# Altium PCB GL3520 4 Ports(final).PcbDoc (part 1 of 2)
Units mil, origin at the board's own origin, x right, y up, seen from the top; angles counter-clockwise.
Board outline 2362.2 x 2362.2 mil, 2 copper layers (Top Layer, Bottom Layer), stack 61.756 mil thick; 95 components, 85 nets, 418 pads, 538 vias.
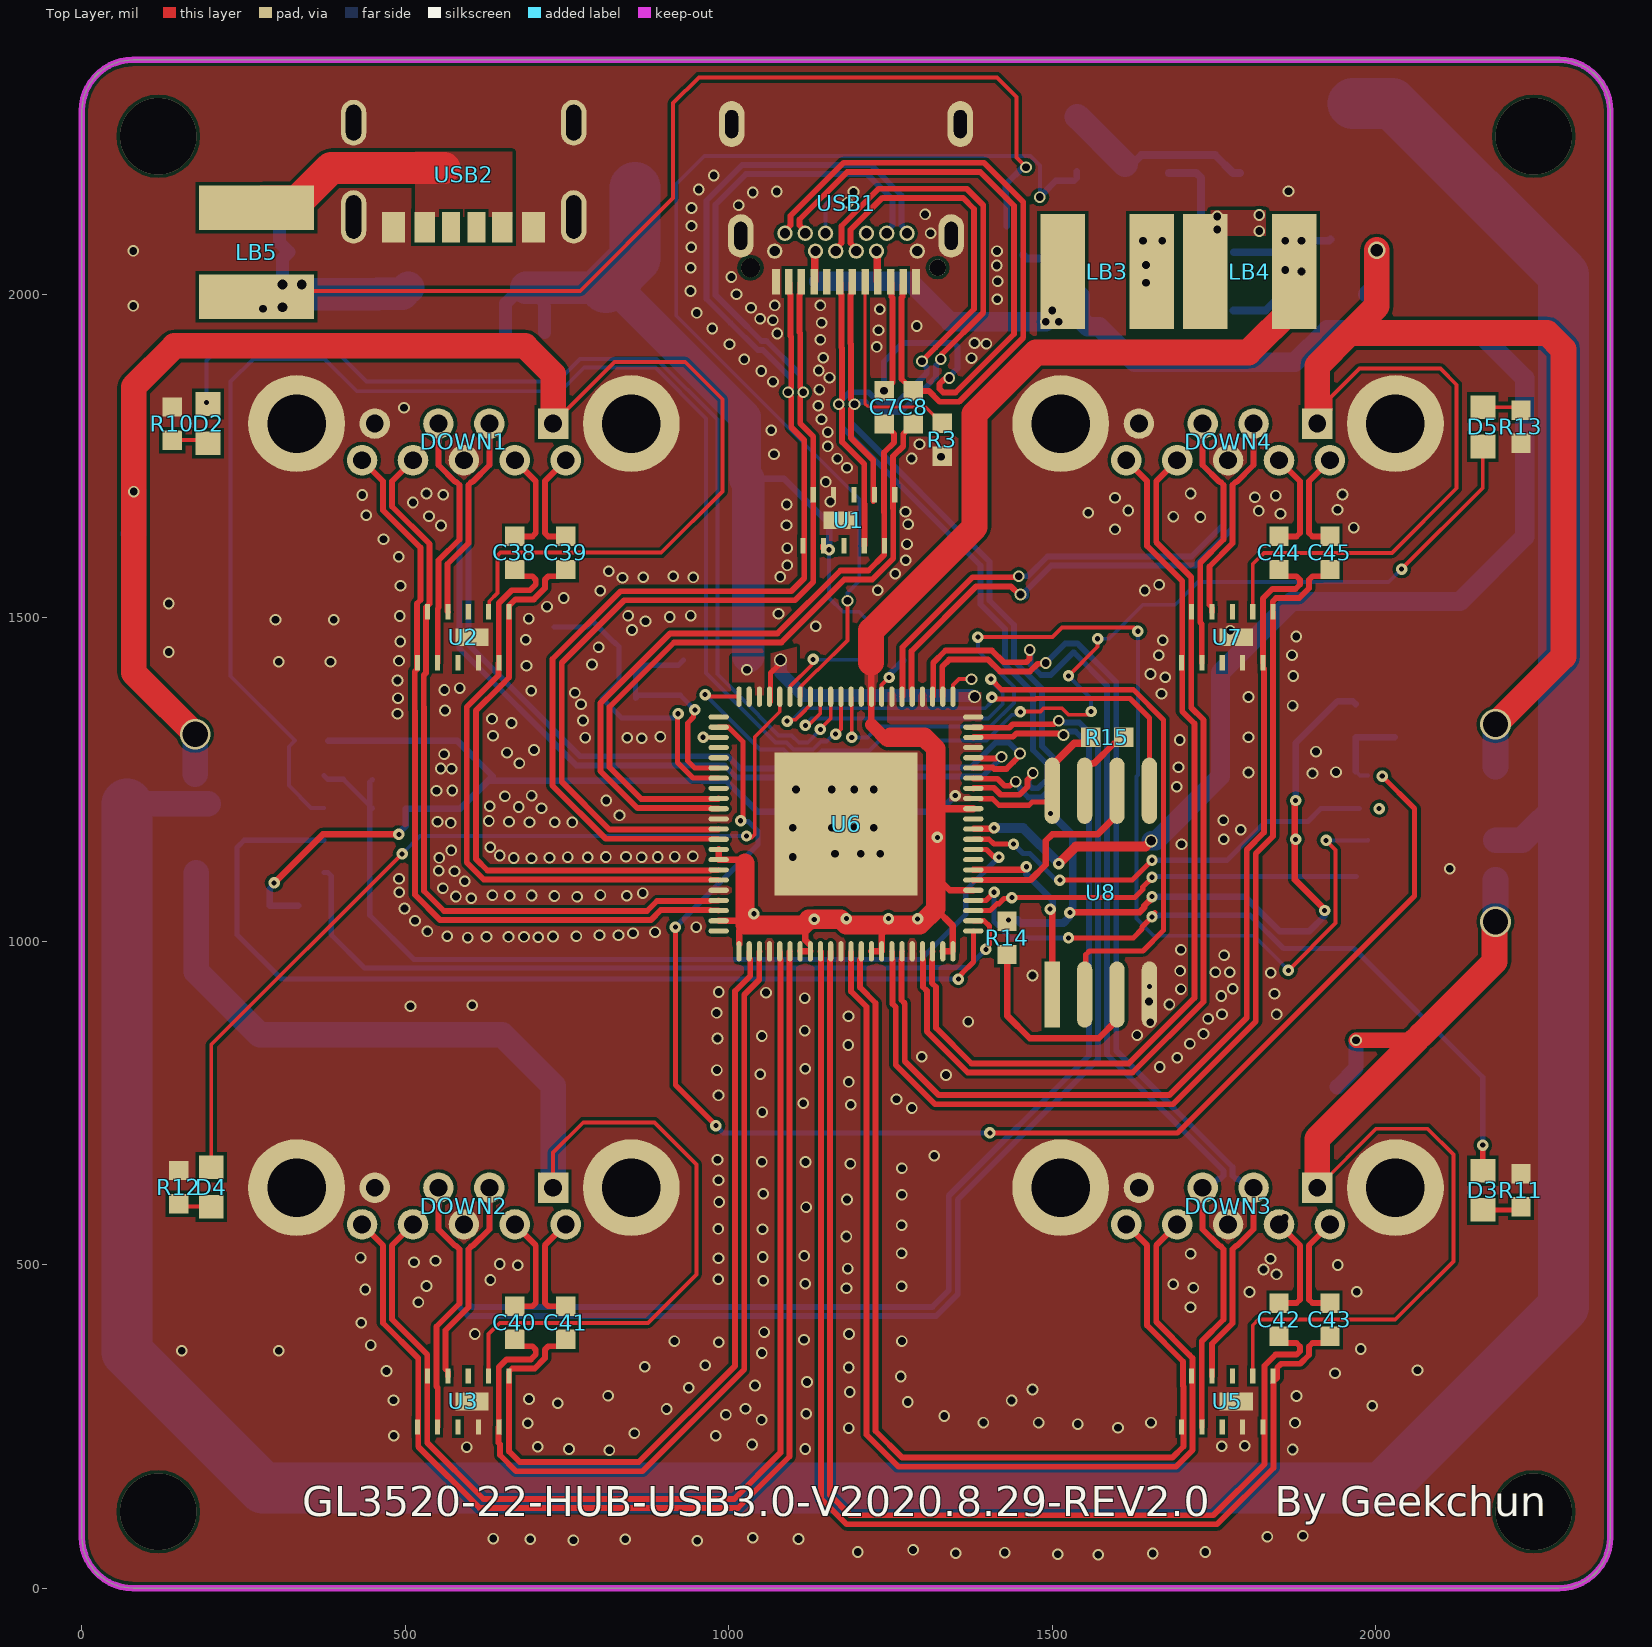
[diagram p0: Top Layer view]
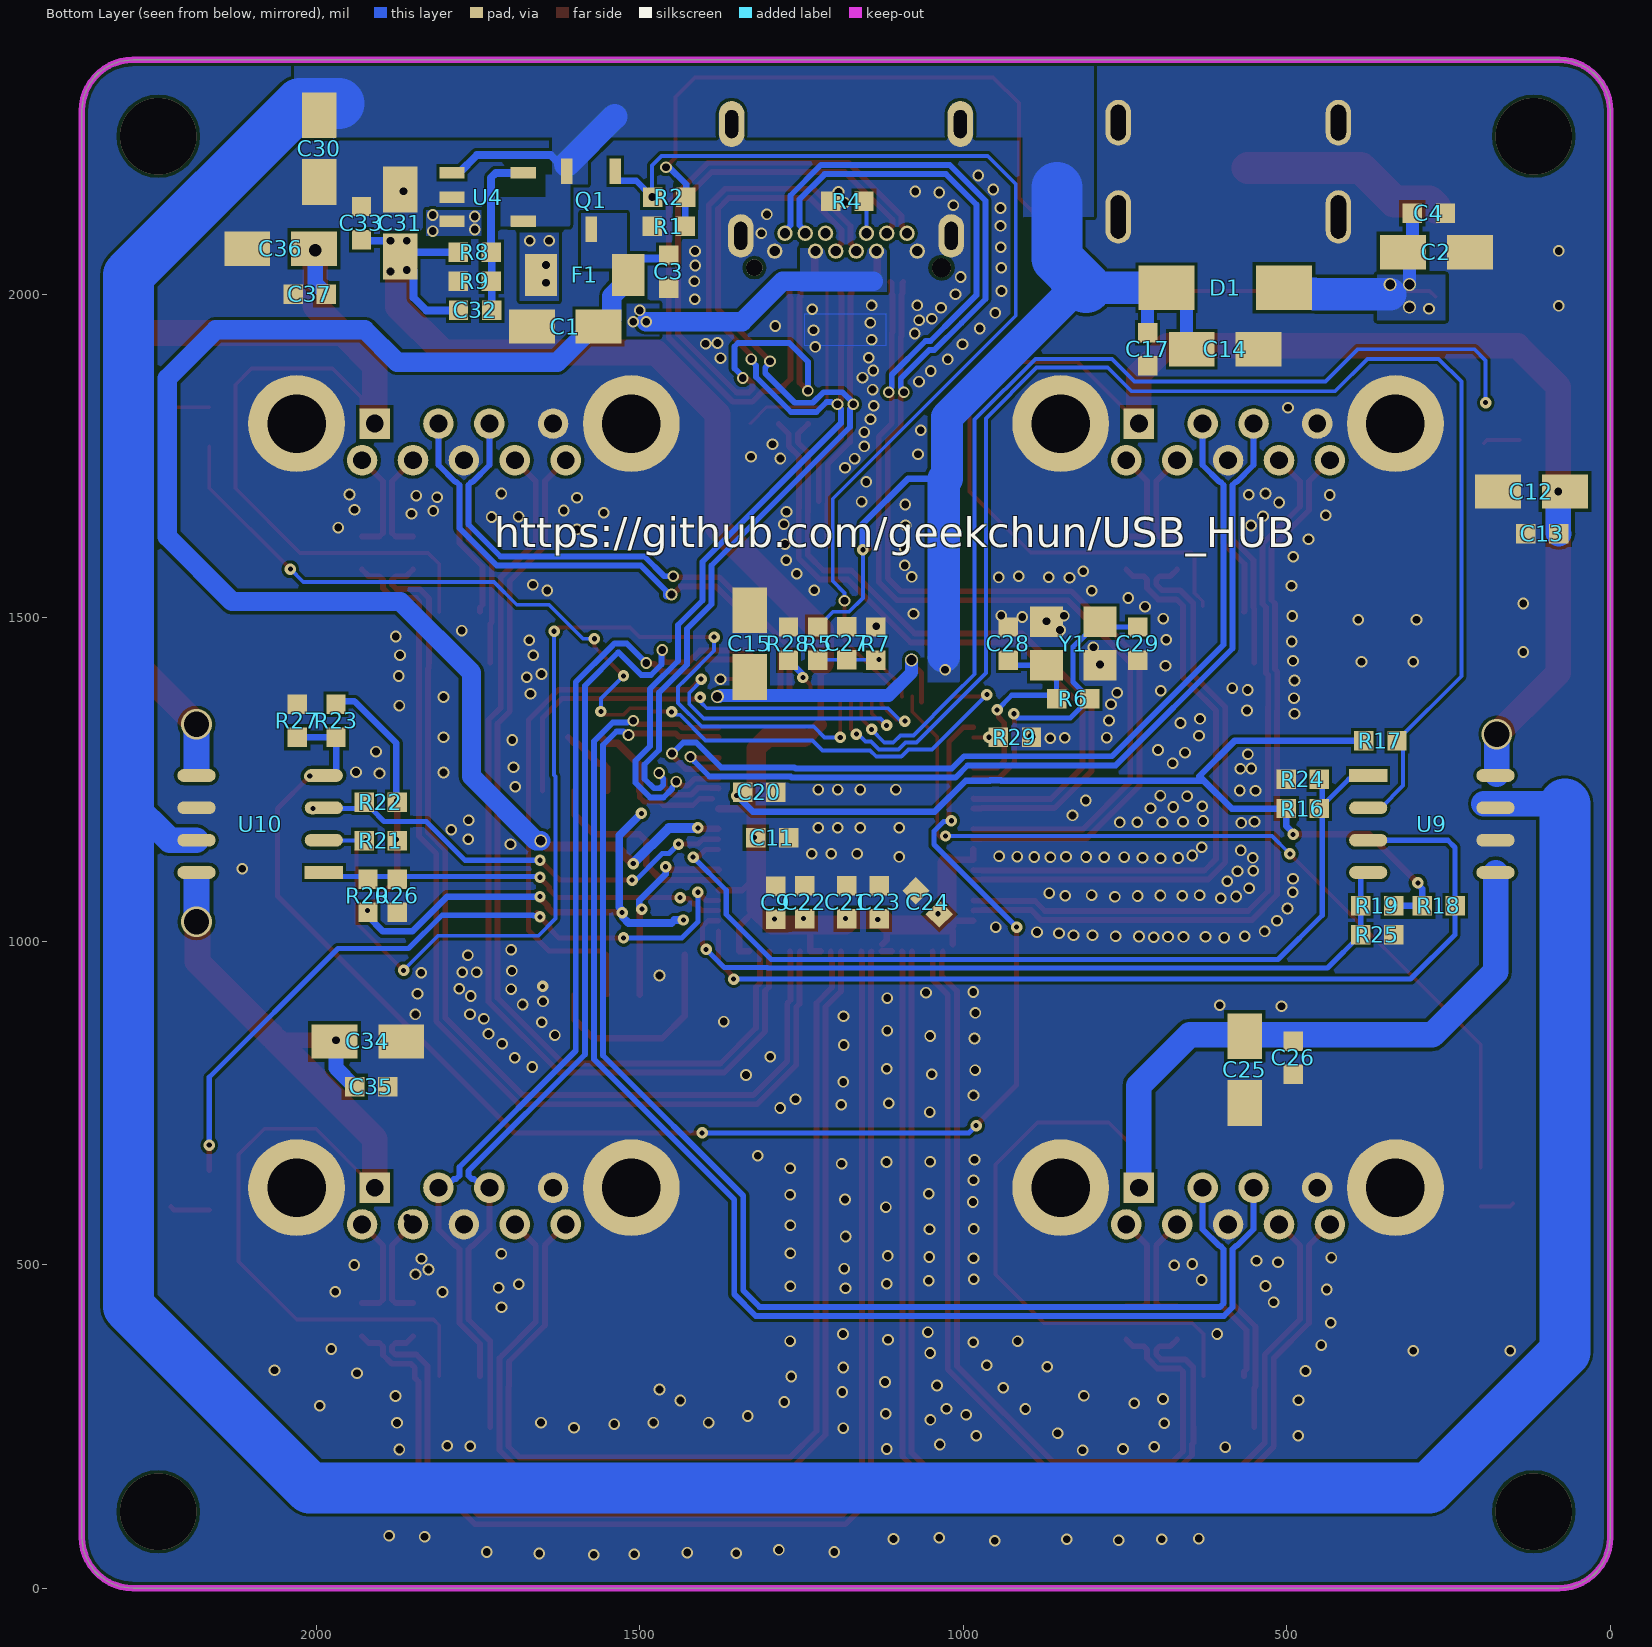
[diagram p1: Bottom Layer view, seen from below]
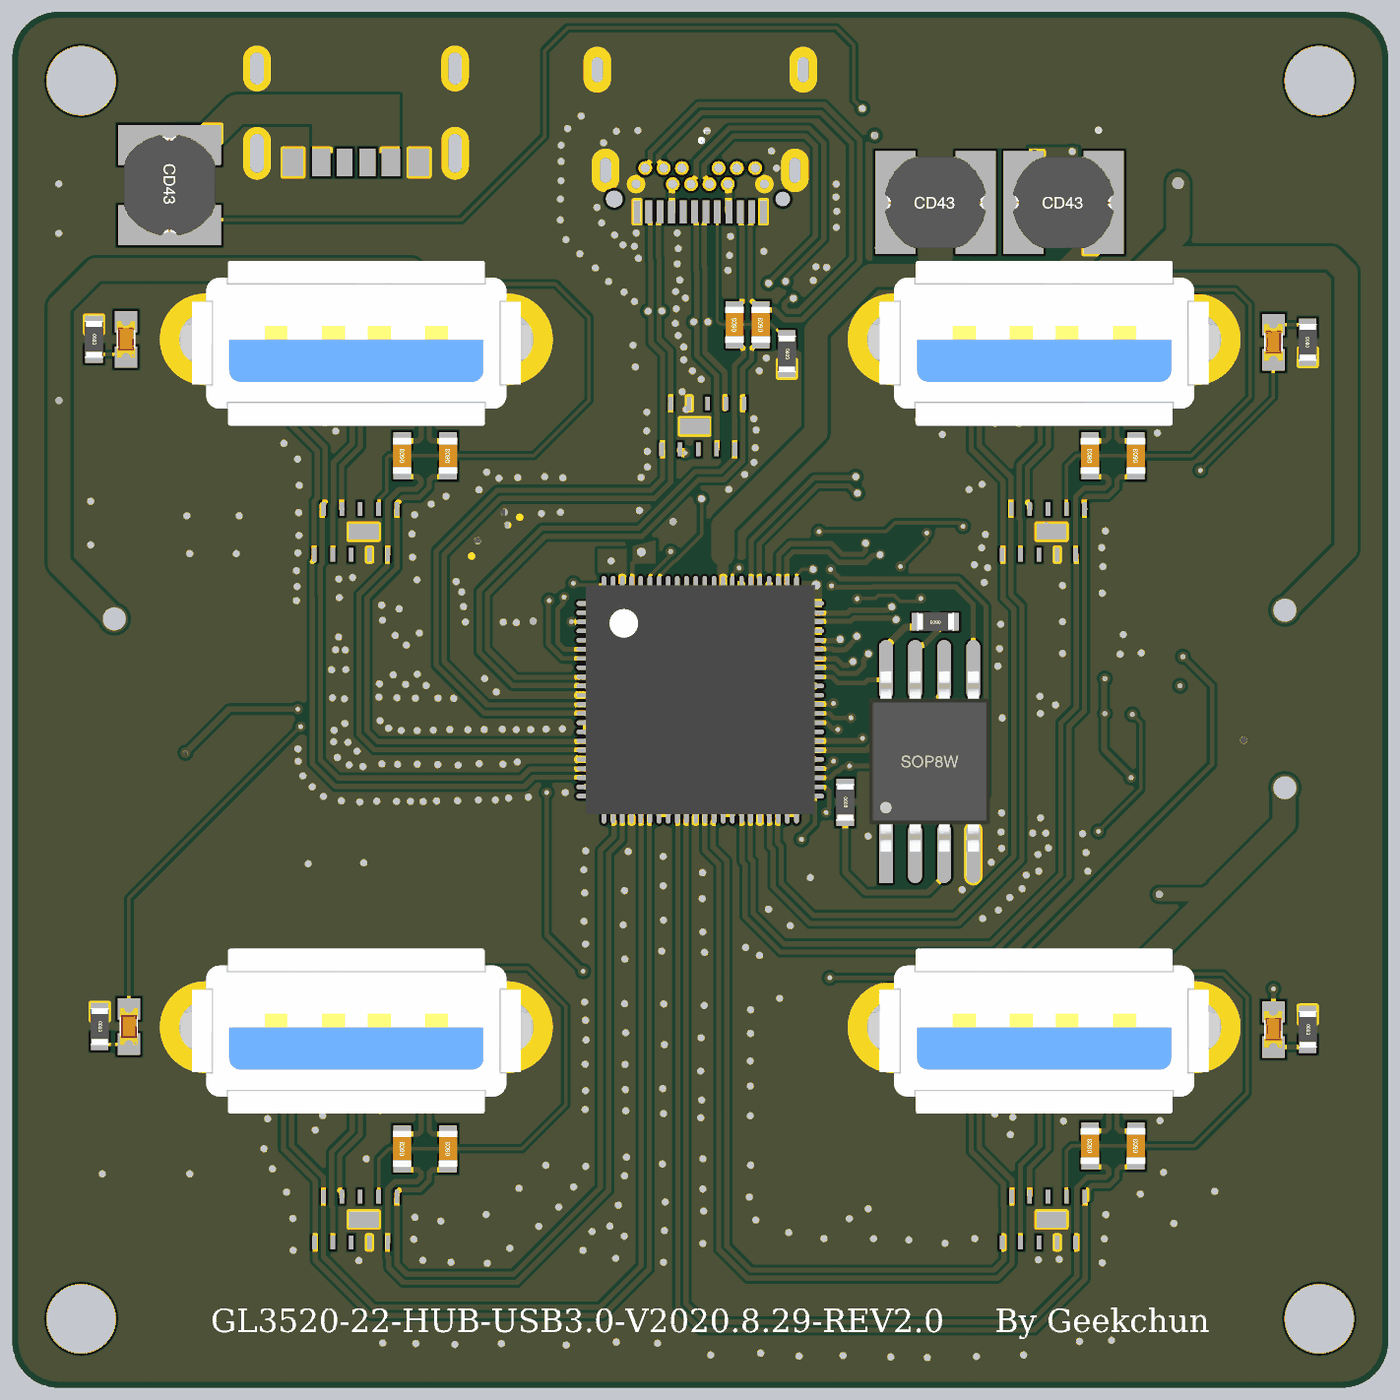
[diagram p3: 3D render of the assembled board from above, using the file's embedded part models]
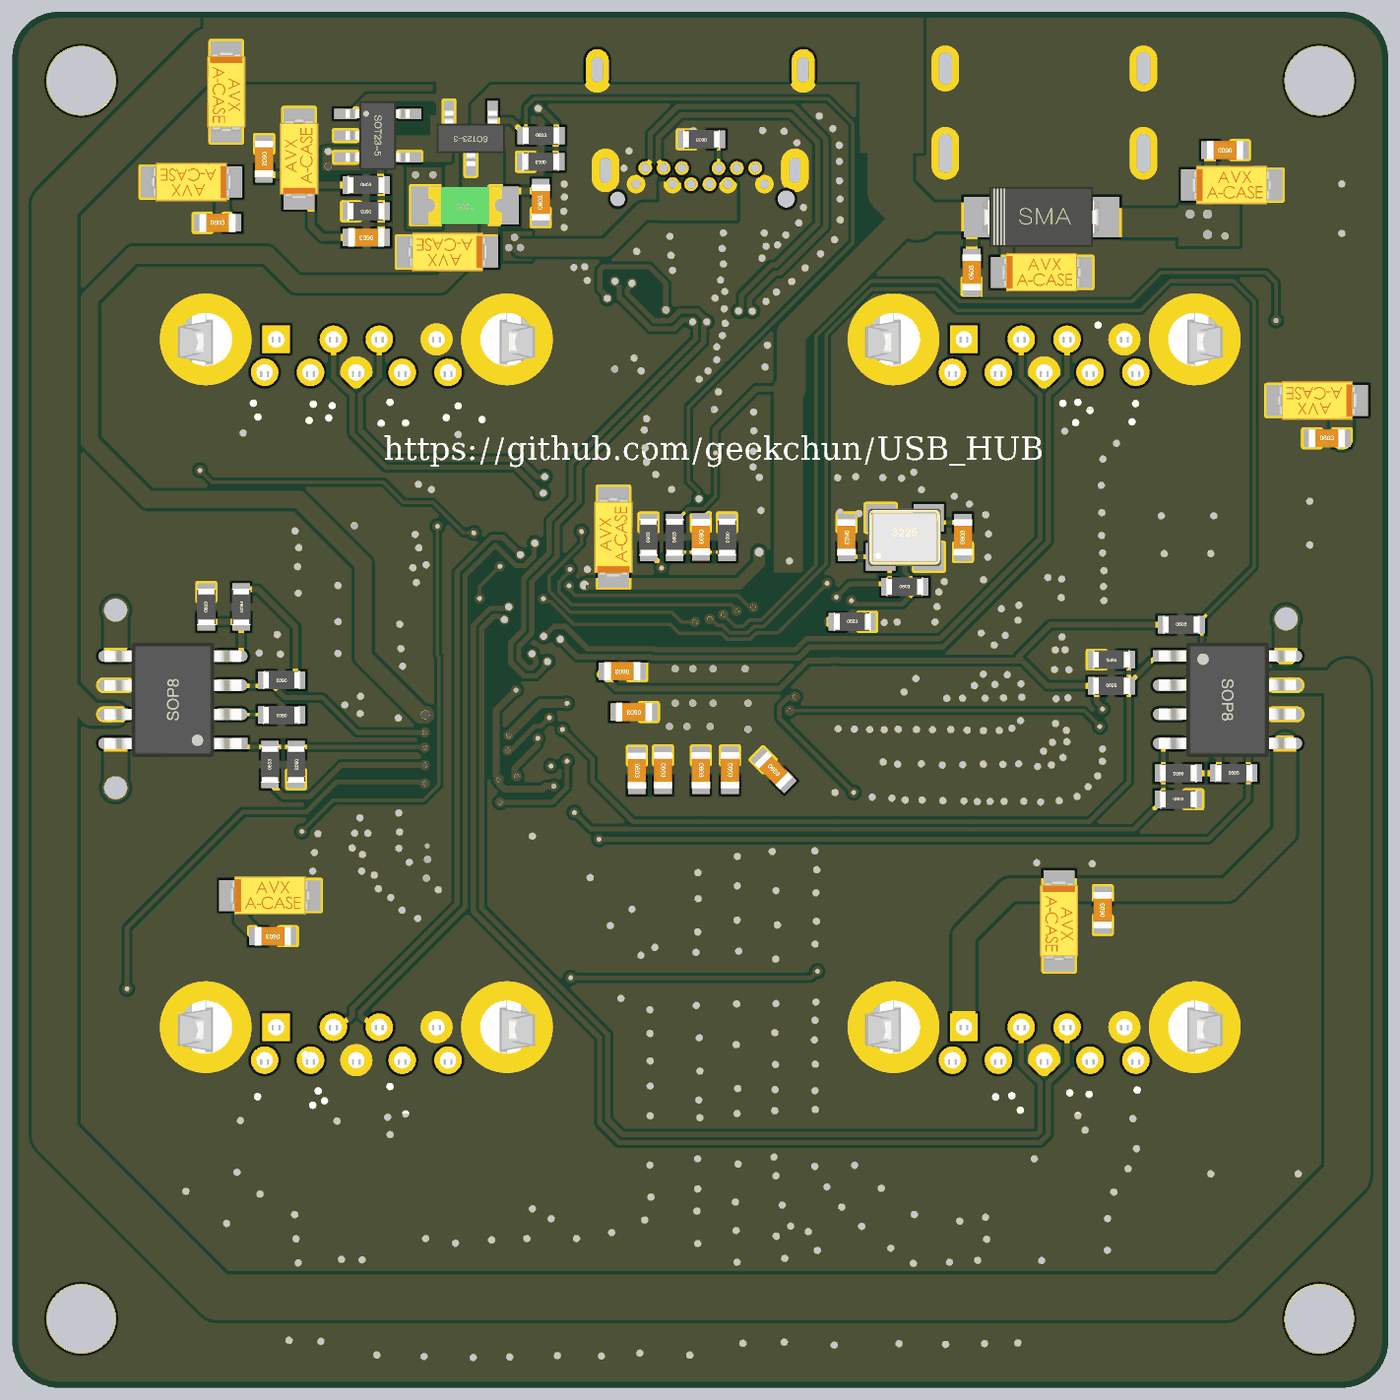
[diagram p4: 3D render of the assembled board from below, using the file's embedded part models]

## Layer stack, top to bottom
Top Solder: solder mask 1, SM-001, Dk 4
Top Layer: signal copper 1.378
Dielectric 1: core 59, Core-043, Dk 4.3
Bottom Layer: signal copper 1.378
Bottom Solder: solder mask 1, SM-001, Dk 4

## Board outline
0,78.74 0,2283.46 cw(c78.74,2283.46) 78.74,2362.2 2283.46,2362.2 cw(c2283.46,2283.46) 2362.2,2283.46 2362.2,78.74 cw(c2283.46,78.74) 2283.46,0 78.74,0 cw(c78.74,78.74)

## Design rules (kind name [scope] priority, off if disabled: settings)
Clearance [All] p1: gap=5 ignorepadtopadclearanceinfootprint=TRUE
DiffPairsRouting [All] p1: maxlimit=5 minlimit=5 mostfreqgap=5 toplayer_minwidth=9 toplayer_maxwidth=9 toplayer_prefwidth=9 bottomlayer_minwidth=9 bottomlayer_maxwidth=9 bottomlayer_prefwidth=9 maxuncoupledlength=500
PolygonConnect [All] p1: connectstyle=Direct reliefconductorwidth=10 reliefentries=4 polygonreliefangle="90 Angle" airgapwidth=10
RoutingVias [All] p1: holewidth=7.87 width=17.72 viastyle="Through Hole" minholewidth=7.87 minwidth=17.72 maxholewidth=28 maxwidth=50
SolderMaskExpansion [All] p1: expansion=4 istentingtop=FALSE
Width [All] p1: maxlimit=118.11 minlimit=3.5 preferedwidth=6 minimp=50.000000 maximp=50.000000 favimp=50.000000
29 further rules are at their usual default settings.

## Classes and differential pairs
differential pair NewDifferentialPair7: +DP3_DP -DP3_DN
differential pair NewDifferentialPair20: +NetC45_2 -NetC44_2
differential pair NewDifferentialPair19: +NetC43_2 -NetC42_2
differential pair NewDifferentialPair18: +NetC41_2 -NetC40_2
differential pair NewDifferentialPair17: +NetC39_2 -NetC38_2
differential pair NewDifferentialPair16: +UP_RXP -UP_RXN
differential pair NewDifferentialPair15: +UP_TXP -UP_TXN
differential pair NewDifferentialPair14: +TX+ -TX-
differential pair NewDifferentialPair13: +UP_DP -UP_DN
differential pair NewDifferentialPair12: +DP4_TXP -DP4_TXN
differential pair NewDifferentialPair11: +DP4_RXP -DP4_RXN
differential pair NewDifferentialPair10: +DP4_DP -DP4_DN
differential pair NewDifferentialPair9: +DP3_TXP -DP3_TXN
differential pair NewDifferentialPair8: +DP3_RXP -DP3_RXN
differential pair NewDifferentialPair6: +DP2_TXP -DP2_TXN
differential pair NewDifferentialPair5: +DP2_RXP -DP2_RXN
differential pair NewDifferentialPair4: +DP2_DP -DP2_DN
differential pair NewDifferentialPair3: +DP1_TXP -DP1_TXN
differential pair NewDifferentialPair2: +DP1_RXP -DP1_RXN
differential pair NewDifferentialPair1: +DP1_DP -DP1_DN

## Components (designator, comment, footprint, x,y, rotation, side; value= is the part's Value field where it differs from the comment)
C1 "10uF" CASE-A_3216 1615,1950 r180 bottom
C2 "10uF" CASE-A_3216 268.43,2065 r0 bottom
C3 "0.1uF" "C 0603_L" 1455,2035 r90 bottom
C4 "0.1uF" "C 0603_L" 280,2125 r0 bottom
C7 "0.1uF" "C 0603_L" 1240,1825 r90 top
C8 "0.1uF" "C 0603_L" 1285,1825 r90 top
C9 "0.1uF" "C 0603_L" 1290,1059.41 r270 bottom
C11 "0.1uF" "C 0603_L" 1295,1160 r0 bottom
C12 "10uF" CASE-A_3216 121.57,1695 r180 bottom
C13 "0.1uF" "C 0603_L" 105,1630 r180 bottom
C14 "10uF" CASE-A_3216 595,1915 r0 bottom
C15 "10uF" CASE-A_3216 1330,1460 r270 bottom
C17 "0.1uF" "C 0603_L" 715,1915 r90 bottom
C20 "0.1uF" "C 0603_L" 1315,1230 r0 bottom
C21 "0.1uF" "C 0603_L" 1180,1060 r270 bottom
C22 "0.1uF" "C 0603_L" 1245,1060 r270 bottom
C23 "0.1uF" "C 0603_L" 1130,1060 r270 bottom
C24 "0.1uF" "C 0603_L" 1055,1060 r225 bottom
C25 "10uF" CASE-A_3216 565,801.57 r90 bottom
C26 "0.1uF" "C 0603_L" 490,820 r90 bottom
C27 "1uF" "C 0603_L" 1180,1460.59 r270 bottom
C28 "12pF" "C 0603_L" 930,1460 r270 bottom
C29 "12pF" "C 0603_L" 730,1460 r90 bottom
C30 "10uF" CASE-A_3216 1995,2225 r90 bottom
C31 "10uF" CASE-A_3216 1870,2110 r270 bottom
C32 "20pF" "C 0603_L" 1754.41,1975 r0 bottom
C33 "0.1uF" "C 0603_L" 1930,2110 r270 bottom
C34 "10uF" CASE-A_3216 1920,845 r0 bottom
C35 "0.1uF" "C 0603_L" 1915,775 r0 bottom
C36 "10uF" CASE-A_3216 2055,2070 r180 bottom
C37 "0.1uF" "C 0603_L" 2010,2000 r180 bottom
C38 "0.1uF" "C 0603_L" 669.29,1600 r90 top
C39 "0.1uF" "C 0603_L" 748.03,1600 r90 top
C40 "0.1uF" "C 0603_L" 669.29,410 r90 top
C41 "0.1uF" "C 0603_L" 748.03,410 r90 top
C42 "0.1uF" "C 0603_L" 1850.39,415 r90 top
C43 "0.1uF" "C 0603_L" 1929.13,415 r90 top
C44 "0.1uF" "C 0603_L" 1850.39,1600 r90 top
C45 "0.1uF" "C 0603_L" 1929.13,1600 r90 top
D1 "1N5822" SMA 595,2010 r0 bottom
D2 "蓝灯 0603" 0603_LED_S1 195,1800 r90 top
D3 "蓝灯 0603" 0603_LED_S1 2165.35,615 r90 top
D4 "蓝灯 0603" 0603_LED_S1 200,620 r90 top
D5 "蓝灯 0603" 0603_LED_S1 2165.35,1795 r270 top
DOWN1 "USB3-A Device" "USB3.0-1 - duplicate" 590.55,1771.65 r180 top
DOWN2 "USB3-A Device" "USB3.0-1 - duplicate" 590.55,590.55 r180 top
DOWN3 "USB3-A Device" "USB3.0-1 - duplicate" 1771.65,590.55 r180 top
DOWN4 "USB3-A Device" "USB3.0-1 - duplicate" 1771.65,1771.65 r180 top
F1 "Fuse" "FU 1206" 1585,2030 r0 bottom
LB3 "10uH" CD43 1585,2035 r0 top
LB4 "10uH" CD43 1805,2035 r0 top
LB5 "10uH" CD43 270,2065 r270 top
Q1 "AO3401A" SOT23-3L 1575,2145 r0 bottom
R1 "10K" "R 0603_L" 1455,2105 r0 bottom
R2 "10K" "R 0603_L" 1454.41,2150 r180 bottom
R3 "10K" "R 0603_L" 1330,1775 r270 top
R4 "10K" "R 0603_L" 1178.94,2143.46 r0 bottom
R5 "10K" "R 0603_L" 1225,1460 r90 bottom
R6 "1M" "R 0603_L" 830,1375 r180 bottom
R7 "47K" "R 0603_L" 1135,1460 r270 bottom
R8 "100K" "R 0603_L" 1755,2065 r180 bottom
R9 "100K" "R 0603_L" 1755,2020 r0 bottom
R10 "2K" "R 0603_L" 140,1800 r270 top
R11 "2K" "R 0603_L" 2224.41,615 r270 top
R12 "2K" "R 0603_L" 150,620 r270 top
R13 "2K" "R 0603_L" 2224.41,1795 r90 top
R14 "10K" "R 0603_L" 1430,1005 r270 top
R15 "10K" "R 0603_L" 1585,1315 r180 top
R16 "100K" "R 0603_L" 475,1205 r180 bottom
R17 "10K" "R 0603_L" 355,1310 r180 bottom
R18 "10K" "R 0603_L" 265,1055 r180 bottom
R19 "100K" "R 0603_L" 360,1055 r0 bottom
R20 "100K" "R 0603_L" 1920,1070 r90 bottom
R21 "10K" "R 0603_L" 1900,1155 r0 bottom
R22 "10K" "R 0603_L" 1900,1215 r0 bottom
R23 "100K" "R 0603_L" 1969.34,1340.49 r270 bottom
R24 "100K" "R 0603_L" 475,1250 r0 bottom
R25 "100K" "R 0603_L" 360,1010 r180 bottom
R26 "100K" "R 0603_L" 1875,1070 r270 bottom
R27 "100K" "R 0603_L" 2029.35,1340.49 r90 bottom
R28 "100K" "R 0603_L" 1270,1460 r90 bottom
R29 "680R" "R 0603_L" 920,1315 r180 bottom
U1 "AZ1065-06F" DFN4120P10E 1263.19,1624.25 r180 top
U2 "AZ1065-06F" DFN4120P10E 511.81,1496.06 r0 top
U3 "AZ1065-06F" DFN4120P10E 511.81,314.96 r0 top
U4 "AUR9713" SOT23-5L 1735,2150 r270 bottom
U5 "AZ1065-06F" DFN4120P10E 1692.91,314.96 r0 top
U6 "GL3520_QFN88_V094-1_22" QFN88 1181.1,1181.1 r0 top
U7 "AZ1065-06F" DFN4120P10E 1692.91,1496.06 r0 top
U8 "PM25LD512" SOP8W_M 1575,1075 r90 top
U9 "AIC1519N-0" SOP8_L 275.59,1181.1 r180 bottom
U10 "AIC1519N-0" SOP8_L 2086.61,1181.1 r0 bottom
USB1 "Type-C" USB-C-SMD_U262-241N-4BV60 1181.1,2140.94 r180 top
USB2 "TYPE-C-6P" TYPE-C-SMD_TYPE-C-31-M-16 590.08,2184.4 r180 top
Y1 "25MHZ" "OSC 3225-4P" 830,1460 r180 bottom

## Footprints (in the part's own frame and the unit in brackets; to place one, negate y for a bottom-side part, rotate by r counter-clockwise, add the part's x,y. Pads: shape width x height; smd on the part's side, far side on the other; paste and mask are expansions set on the pad)
0603_LED_S1 [mm]
  rect 0.93x0.98 smd: A(0.77,0) K(-0.77,0)
  body extent -0.8,-0.4 0.8,0.4, height 0.6
"C 0603_L" [mil] "无极性贴片电容"
  rect 30x30 smd: 1(-25.59,0) 2(25.59,0)
  body extent -31,-16 31,16, height 32
CASE-A_3216 [mm]
  rect 1.8x1.35 smd: 1(1.31,0) 2(-1.31,0)
  body extent -1.7,-0.84 1.7,0.84, height 1.71
CD43 [mm] "4.5*4*3.2mm（长宽高）"
  rect 1.75x4.5 smd: 1(-1.75,0) 2(1.75,0)
  body extent -2.21,-2 2.21,2, height 3.3
DFN4120P10E [mm]
  rect 0.2x0.6 smd: 1(3.77,0.33) 2(2.97,0.33) 3(2.17,0.33) 4(1.37,0.33) 5(0.57,0.33) 6(0.17,-1.67) 7(0.97,-1.67) 8(1.77,-1.67) 9(2.57,-1.67) 10(3.37,-1.67)
  rect 1.3x0.7 smd: 11(2.32,-0.67)
  body extent -0.07,-1.67 4.03,0.32, height 0.25
"FU 1206" [mil] "贴片保险丝"
  rect 50x65 smd: 1(-67.5,0) 2(67.5,0)
  body extent -63,-32 63,32, height 34
"OSC 3225-4P" [mm] "3.2*2.5*0.7mm(长宽高)"
  rect 1.3x1.2 smd: 1(-1.05,-0.85) 2(1.05,-0.85) 3(1.05,0.85) 4(-1.05,0.85)
  body extent -1.6,-1.25 1.6,1.25, height 0.7
QFN88 [mm] "PQFN, 88-Leads, Body 10.00x10.00mm, Pitch 0.40mm, Thermal Pad 5.60x5.60mm, IPC Medium Density"
  oval 0.8x0.2 smd: 1(-5,4.2) 2(-5,3.8) 3(-5,3.4) 4(-5,3) 5(-5,2.6) 6(-5,2.2) 7(-5,1.8) 8(-5,1.4) 9(-5,1) 10(-5,0.6) 11(-5,0.2) 12(-5,-0.2) 13(-5,-0.6) 14(-5,-1) 15(-5,-1.4) 16(-5,-1.8) 17(-5,-2.2) 18(-5,-2.6) 19(-5,-3) 20(-5,-3.4) 21(-5,-3.8) 22(-5,-4.2) 45(5,-4.2) 46(5,-3.8) 47(5,-3.4) 48(5,-3) 49(5,-2.6) 50(5,-2.2) 51(5,-1.8) 52(5,-1.4) 53(5,-1) 54(5,-0.6) 55(5,-0.2) 56(5,0.2) 57(5,0.6) 58(5,1) 59(5,1.4) 60(5,1.8) 61(5,2.2) 62(5,2.6) 63(5,3) 64(5,3.4) 65(5,3.8) 66(5,4.2)
  oval 0.2x0.8 smd: 23(-4.2,-5) 24(-3.8,-5) 25(-3.4,-5) 26(-3,-5) 27(-2.6,-5) 28(-2.2,-5) 29(-1.8,-5) 30(-1.4,-5) 31(-1,-5) 32(-0.6,-5) 33(-0.2,-5) 34(0.2,-5) 35(0.6,-5) 36(1,-5) 37(1.4,-5) 38(1.8,-5) 39(2.2,-5) 40(2.6,-5) 41(3,-5) 42(3.4,-5) 43(3.8,-5) 44(4.2,-5) 67(4.2,5) 68(3.8,5) 69(3.4,5) 70(3,5) 71(2.6,5) 72(2.2,5) 73(1.8,5) 74(1.4,5) 75(1,5) 76(0.6,5) 77(0.2,5) 78(-0.2,5) 79(-0.6,5) 80(-1,5) 81(-1.4,5) 82(-1.8,5) 83(-2.2,5) 84(-2.6,5) 85(-3,5) 86(-3.4,5) 87(-3.8,5) 88(-4.2,5)
  rect 5.6x5.6 smd: G1(0,0)
  body extent -5,-5 5,5, height 1
"R 0603_L" [mil] "1/10W贴片电阻"
  rect 30x30 smd: 1(-25.59,0) 2(25.59,0)
  body extent -31,-16 31,16, height 16
SMA [mm] "4.5x2.6*2.2mm（长宽高，不包括引脚）"
  rect 2.2x1.75 smd: 1(-2.3,0) 2(2.3,0)
  body extent -2.52,-1.3 2.57,1.3, height 2.15
SOP8_L [mm] "5*6*1.8mm（长宽高）"
  rect 1.5x0.5 smd: 1(-2.5,1.905)
  oval 1.5x0.5 smd: 2(-2.5,0.635) 3(-2.5,-0.635) 4(-2.5,-1.905) 5(2.5,-1.905) 6(2.5,-0.635) 7(2.5,0.635) 8(2.5,1.905)
  body extent -3,-2.5 3,2.5, height 1.9
SOP8W_M [mm] "5.3*8.3*1.8mm（长宽高）"
  rect 2.6x0.6 smd: 1(-4,1.905)
  oval 2.6x0.6 smd: 2(-4,0.635) 3(-4,-0.635) 4(-4,-1.905) 5(4,-1.905) 6(4,-0.635) 7(4,0.635) 8(4,1.905)
  body extent -3.94,-2.64 3.94,2.64, height 1.9
SOT23-3L [mm] "3x1.3x1mm(长宽高)"
  rect 0.45x1 smd: 1(-0.95,-1.143) 2(0.95,-1.143) 3(0,1.125)
  body extent -1.5,-1.2 1.5,1.2, height 1.05
SOT23-5L [mm] "3x1.6x1.1mm(长宽高)"
  rect 0.45x1 smd: 1(-0.95,-1.4) 2(0,-1.4) 3(0.95,-1.4) 4(0.95,1.4) 5(-0.95,1.4)
  body extent -1.5,-1.4 1.5,1.4, height 1.15
TYPE-C-SMD_TYPE-C-31-M-16 [mm]
  oval 1x2.099 hole 0.6 slot 1.7 at 90 deg: 1(-4.32,1.65) 2(4.32,1.65)
  oval 1x1.799 hole 0.6 slot 1.4 at 90 deg: 3(-4.32,-2.05) 4(4.32,-2.05)
  rect 0.7x1.2 smd: A5(-0.5,2.05) B5(0.5,2.05)
  rect 0.8x1.2 smd: A9(1.52,2.05) B9(-1.52,2.05)
  rect 0.9x1.2 smd: A12(2.75,2.05) B12(-2.75,2.05)
"USB3.0-1 - duplicate" [mm] "Connector; USB1.1, Type A, Thru-Hole; 4 Position; Vertical"
  rect 1.2x1.2 hole 0.7: 1(-3.5,-0.72)
  round 1.2 hole 0.7: 2(-1,-0.72) 3(1,-0.72) 4(3.5,-0.72) 5(4,0.72) 6(2,0.72) 7(0,0.72) 8(-2,0.72) 9(-4,0.72)
  round 3.8 hole 2.3: G1(-6.57,-0.72) G2(6.57,-0.72)
  body extent -7.8,-4.15 7.8,3.05, height 15
USB-C-SMD_U262-241N-4BV60 [mm]
  oval 1x1.699 hole 0.5 slot 1.1 at 90 deg: 1(-4.13,1.29) 4(4.13,1.29)
  oval 1x1.799 hole 0.5 slot 1.1 at 90 deg: 2(-4.49,-3.1) 3(4.49,-3.1)
  rect 0.3x1 smd: A1(-2.75,3.1) A2(-2.25,3.1) A3(-1.75,3.1) A4(-1.25,3.1) A5(-0.75,3.1) A6(-0.25,3.1) A7(0.25,3.1) A8(0.75,3.1) A9(1.25,3.1) A10(1.75,3.1) A11(2.25,3.1) A12(2.75,3.1)
  round 0.6 hole 0.4: B1(2.8,1.89) B2(2.4,1.19) B3(1.6,1.19) B4(1.2,1.89) B5(0.8,1.19) B6(0.4,1.89) B7(-0.4,1.89) B8(-0.8,1.19) B9(-1.2,1.89) B10(-1.6,1.19) B11(-2.4,1.19) B12(-2.8,1.89)
  round 0.65 hole 0.65 unplated: ""(-3.6,2.54)
  round 0.75 hole 0.75 unplated: ""(3.75,2.54)

## Part data
C1 C2 C14 C15: library part "3216 10uF (106) 10% 16V", "钽电容1206", Package=3216, SuppliersPartNumber=C7171, ComponentLink1Description=供应, ComponentLink1URL=http://www.szlcsc.com/product/details_7643.html, Supplier=LC
C3 C4 C7 C8 C9 C11 C13 C17 C20 C21 C22 C23 C24 C26 C27 C28 C29 C32 C33 C35 C37 C38 C39 C40 C41 C42 C43 C44 C45: library part "0603 2.2uF (225) 10% 16V", "贴片电容", Package=0603, SuppliersPartNumber=C23630, ComponentLink1Description=供应, ComponentLink1URL=http://www.szlcsc.com/product/details_24366.html, Supplier=LC
C12 C25 C30 C31 C34 C36: library part "3216 10uF (106) 10% 16V", "钽电容", Package=3216, SuppliersPartNumber=C7171, ComponentLink1Description=供应, ComponentLink1URL=http://www.szlcsc.com/product/details_7643.html, Supplier=LC
D1: library part "Diode 1N5400", "3 Amp General Purpose Rectifier", ComponentLink1Description="Manufacturer Link", ComponentLink1URL=http://www.fairchildsemi.com/, ComponentLink2Description=Datasheet, ComponentLink2URL=http://www.fairchildsemi.com/ds/1N%2F1N5400.pdf, DatasheetVersion=1998, LatestRevisionDate=17-Jul-2002, LatestRevisionNote="Re-released for DXP Platform.", PackageDescription="Diode, Axial; Body 9.5 x 5.6 mm (LxDia. max), Lead Dia. 1.32 mm (max)", PackageReference=DO-201AD, PackageVersion=Aug-1999, Published=8-Jun-2000, Publisher="Altium Limited"
D2 D3 D4 D5: library part "0603 蓝灯", "发光二极管", Package=0603, SuppliersPartNumber=C72041, ComponentLink1Description=供应, ComponentLink1URL=http://www.szlcsc.com/product/details_73150.html, Supplier=LC
DOWN1 DOWN2 DOWN3 DOWN4: library part USB3-A_5, PCB Footprint=CND-USB3A-A
F1: Manufacturer="TE Connectivity", PartNumber=NANOSMDC020F-2, Supplier Part Number 1=NANOSMDC020F-2CT-ND, ComponentLink1Description="Datasheet URL", ComponentLink1URL=http://www.te.com/commerce/DocumentDelivery/DDEController?Action=srchrtrv&DocNm=SCD25536&DocType=Customer+Drawing&DocLang=English, CompType=Fuse, LatestRevisionDate=2015-11-23, MountType=SMT, PackageReference=1206, Published=2009-03-05, Publisher="Texas Instruments", ROHS=Y, Rtyp_Ohm=1.875, Supplier 1=Digi-Key, Supplier 2=Mouser, Supplier 3=Farnell, Supplier Part Number 2=650-NANOSMDC020F-2, Supplier Part Number 3=1345939, SymbolCreator=a0412235, SymbolVersion=2013-04-02, VDC_V=24
LB3 LB4 LB5: library part L-0603, PCB Footprint=LBS-0603
Q1: library part CMP-2000-05778-1, "P-Channel MOSFET, 30 V, 4 A, -55 to 150 degC, 3-Pin SOT-23-3L, RoHS, Tape and Reel", Continuous Drain Current=4A, Drain-Source On-Volt=30V, Frequency (Max)=NotRequiredMHz, Gate-Source Voltage (Max)=?12V, Manufacturer="Alpha and Omega", Operating Temp Range=-55Cto150C, Operating Temperature Classification=Military, Output Power (Max)=NotRequiredW, Package Description="3-Pin Small Outline Transistor, Body 2.95 x 1.6 mm, Pitch 0.95 mm", Package Reference=SOT-23-3L, Package Type=SOT-23, Power Dissipation=1.4W, Power Gain=NotRequireddB, Channel Mode=Enhancement, Datasheet URL=http://www.aosmd.com/res/data_sheets/AO3401A.pdf, Datasheet Version="Rev. 3, 03/2011", Drain Current (Max)=4A, Drain Efficiency=NotRequired%, Drain-Source On-Res=0.044ohm, Manufacturer URL=http://www.aosmd.com/, Mounting=SurfaceMount, Mounting Technology=SurfaceMount, Noise Figure=NotRequireddB, Number of  Elements=1, Package URL=http://www.aosmd.com/res/packaging_information/SOT-23-3L.pdf, Pin Count=3, Polarity=P, Rad Hardened=No, Type=PowerMOSFET
R1 R2 R3 R4 R5 R6 R7 R8 R9 R10 R11 R12 R13 R14 R15 R16 R17 R18 R19 R20 R21 R22 R23 R24 R25 R26 R27 R28 R29: library part RES
U1 U2 U3 U5 U7: "晶炎AZ1065-06F.R7G DFN4120 丝印119 ESD/TVS静电保护二极管"
U4: library part AUR9705_3, PCB Footprint=I-TSOT23-5P-2_9x1_6x0_95A
U8: library part CAT25C128/256, PCB Footprint=I-SOP8-1_27A
U9 U10: library part AIC1526-SOP, PCB Footprint=I-SOP8-1_27A
USB2: library part TYPE-C-31-M-17, "Connector", Manufacturer_Name="Korean Hroparts Elec", Arrow Part Number=TYPE-C-31-M-17, Datasheet Link=https://datasheet.lcsc.com/szlcsc/1903211732_Korean-Hroparts-Elec-TYPE-C-31-M-17_C283540.pdf, HEIGHT=3.26mm, Manufacturer_Part_Number=TYPE-C-31-M-17
Y1: library part "SMD-3225_4P  25MHZ 12PF 10PPM", "贴片晶振", Package=SMD-3225_4P, SuppliersPartNumber=C9006, ComponentLink1Description=供应, ComponentLink1URL=http://www.szlcsc.com/product/details_9526.html, Supplier=LC

## Via types
v1: diameter 18, hole 12, Top Layer to Bottom Layer, tented both sides, 458 vias
v2: diameter 17.72, hole 7.87, Top Layer to Bottom Layer, tented both sides, 65 vias
v3: diameter 20, hole 15, Top Layer to Bottom Layer, tented both sides, 6 vias
v4: diameter 118.11, hole 118.11, Top Layer to Bottom Layer, 4 vias
v5: diameter 47.24, hole 39.37, Top Layer to Bottom Layer, tented both sides, 3 vias
v6: diameter 27.56, hole 19.68, Top Layer to Bottom Layer, tented both sides, 1 vias
v7: diameter 17.72, hole 11.81, Top Layer to Bottom Layer, tented both sides, 1 vias

## Nets (pads, with @x,y where several pads share a name; then routed paths per layer and width w, separated by ;. In a path a pad name is that pad's centre, name@x,y a point inside that pad or via, vN(x,y) a via of type N, cw(c..) or ccw(c..) an arc to the next point about the centre after c; other vN are vias at no path point)
CC1: R3.1 USB1.A5 | length 320
  Top Layer w5: USB1.A5@1210.63,2018.9 1210.63,1830.22 1213.56,1827.29 1215.13,1827.29 1216.63,1825.79 1303.61,1825.79 R3.1@1329.41,1800
CC2: R4.1 USB1.B5 | length 50.9
  Bottom Layer w6: USB1.B5@1149.61,2094.09 1149.61,2139.73 R4.1@1153.34,2143.47
DP1_DN: DOWN1.2 U2.4 U6.61 | length 1715
  Top Layer w9: U2.4@565.75,1509.05 565.25,1509.55 565.25,1582.85 597.55,1615.15 597.55,1704.91 602.82,1710.18 604.27,1710.18 629.92,1735.84 DOWN1.2@629.92,1800 ; U6.61@1377.95,1267.72 1378.52,1268.28 1390.33,1268.28 1390.64,1268.59 1407.89,1268.59 1410.14,1266.34 1429.04,1266.34 1439.88,1277.18 1439.88,1277.44 1450,1287.56 v1(1450,1290)
  Bottom Layer w9: DOWN1.2@629.92,1800 629.92,1735.84 604.27,1710.18 602.82,1710.18 597.55,1704.91 597.55,1458.08 769.92,1285.71 998.82,1285.71 1017.76,1266.77 1259.07,1266.77 1260.8,1268.5 1374.06,1268.5 1412.48,1306.92 1432.65,1306.92 1449.58,1290 v1(1450,1290)
DP1_DP: DOWN1.3 U2.7 U6.62 | length 1729.1
  Top Layer w9: U2.7@550,1430.31 550,1514.39 551.25,1515.64 551.25,1588.64 583.55,1620.95 583.55,1704.91 578.28,1710.18 576.83,1710.18 551.18,1735.84 DOWN1.3@551.18,1800 ; U6.62@1377.95,1283.46 1378.52,1282.9 1390.33,1282.9 1390.64,1282.59 1412.76,1282.59 1413.29,1283.12 1419.66,1283.12 v1(1421.38,1284.84)
  Bottom Layer w9: DOWN1.3@551.18,1800 551.18,1735.84 576.83,1710.18 578.28,1710.18 583.55,1704.91 583.55,1452.28 764.12,1271.71 993.02,1271.71 993.2,1271.53 1011.96,1252.77 1264.86,1252.77 1266.6,1254.5 1392.1,1254.5 1415.17,1277.57
DP1_RXN: DOWN1.5 U2.6 U6.20 | length 1205.2
  Top Layer w9: DOWN1.5@433.07,1743.31 465.44,1710.94 465.44,1666.1 523.25,1608.29 523.25,1527.24 517.94,1521.93 517.94,1430.31 517.94,1420.37 514.56,1416.98 514.56,1355.81 514.86,1355.51 514.86,1071.64 553.98,1032.52 879.29,1032.52 894.89,1048.12 971.57,1048.12 971.88,1047.81 983.69,1047.81 U6.20@984.25,1047.24
DP1_RXP: DOWN1.6 U2.5 U6.19 | length 1182
  Top Layer w9: DOWN1.6@511.81,1743.31 479.44,1710.94 479.44,1671.9 537.25,1614.09 537.25,1521.44 533.5,1517.68 531.94,1516.13 531.94,1509.05 531.94,1414.57 528.56,1411.18 528.56,1362.28 528.86,1361.98 528.86,1077.44 559.78,1046.52 873.49,1046.52 889.09,1062.12 971.57,1062.12 971.88,1062.43 983.69,1062.43 U6.19@984.25,1062.99
DP1_TXN: C38.1 U2.10 U6.17 | length 937.3
  Top Layer w9: C38.1@669.29,1574.41 679.79,1563.91 696.39,1563.91 701.66,1558.63 701.66,1551.18 692.82,1542.34 664.34,1542.34 644.49,1522.49 U2.10@644.49,1430.31 643.93,1429.75 643.93,1410.97 595.02,1362.06 595.02,1121.6 621.26,1095.36 971.57,1095.36 971.88,1095.05 983.69,1095.05 U6.17@984.25,1094.49
DP1_TXP: C39.1 U2.1 U6.16 | length 914.1
  Top Layer w9: C39.1@748.03,1574.41 737.53,1563.91 720.94,1563.91 715.66,1558.63 715.66,1545.38 698.62,1528.34 670.14,1528.34 660.24,1518.44 U2.1@660.24,1509.05 660.24,1407.49 648.09,1395.34 609.02,1356.26 609.02,1127.4 627.06,1109.36 971.57,1109.36 971.88,1109.67 983.69,1109.67 U6.16@984.25,1110.24
DP2_DN: DOWN2.2 U3.4 U6.64 | length 2385.9
  Top Layer w9: U3.4@565.75,327.95 565.75,334.7 561.98,338.47 561.98,398.48 597.55,434.04 597.55,523.81 602.82,529.08 604.27,529.08 629.92,554.73 DOWN2.2@629.92,618.9 ; U6.64@1377.95,1314.96 1378.52,1315.52 1390.33,1315.52 1390.64,1315.83 1439.34,1315.83 1444.71,1321.2 1508.54,1321.2 1509.29,1320.45 1515.65,1320.45 v1(1517.38,1318.73)
  Bottom Layer w9: DOWN2.2@629.92,618.9 629.92,554.73 604.27,529.08 602.82,529.08 597.55,523.81 597.55,440.04 602.82,434.76 1314.68,434.76 1339.9,459.98 1339.9,606.55 1556.69,823.34 1556.69,1303.23 1535.88,1324.04 1525.12,1324.04
DP2_DP: DOWN2.3 U3.7 U6.65 | length 2533.5
  Top Layer w9: U3.7@550,249.21 550,309.62 547.98,311.64 547.98,404.27 583.55,439.84 583.55,523.81 578.28,529.08 576.83,529.08 551.18,554.73 DOWN2.3@551.18,618.9 ; U6.65@1377.95,1330.71 1378.52,1330.14 1390.33,1330.14 1390.64,1329.83 1433.54,1329.83 1438.91,1335.2 1502.25,1335.2 1507.56,1340.52 v1(1510,1340.52)
  Bottom Layer w9: DOWN2.3@551.18,618.9 551.18,554.73 576.83,529.08 578.28,529.08 583.55,523.81 583.55,434.24 597.02,420.76 1320.48,420.76 1353.9,454.18 1353.9,600.75 1570.69,817.54 1570.69,1309.02 1541.68,1338.04 1518.84,1338.04
DP2_RXN: DOWN2.5 U3.6 U6.28 | length 1806.6
  Top Layer w9: DOWN2.5@433.07,562.2 465.44,529.83 465.44,409.88 519.98,355.34 519.98,249.21 519.98,218.73 614.86,123.86 1014.13,123.86 1093.61,203.34 1093.61,971.57 1093.93,971.88 1093.93,983.69 U6.28@1094.49,984.25
DP2_RXP: DOWN2.6 U3.5 U6.27 | length 1760.2
  Top Layer w9: DOWN2.6@511.81,562.2 479.44,529.83 479.44,415.68 533.98,361.14 533.98,327.95 533.98,224.53 620.66,137.86 1008.33,137.86 1079.61,209.14 1079.61,971.57 1079.3,971.88 1079.3,983.69 U6.27@1078.74,984.25
DP2_TXN: C40.1 U3.10 U6.25 | length 1357.6
  Top Layer w9: C40.1@669.29,384.41 679.79,373.91 696.39,373.91 701.66,368.63 701.66,361.18 694.13,353.64 656.74,353.64 644.49,341.39 U3.10@644.49,249.21 643.93,248.65 643.93,224.67 646.24,222.36 646.24,205.61 671.06,180.79 866.57,180.79 1023.76,337.98 1023.76,917.07 1047.13,940.44 1047.13,984.14 U6.25@1047.24,984.25
DP2_TXP: C41.1 U3.1 U6.24 | length 1308.4
  Top Layer w9: C41.1@748.03,384.41 737.53,373.91 720.94,373.91 715.66,368.63 715.66,355.38 699.93,339.64 665.18,339.64 660.24,334.7 U3.1@660.24,327.95 660.24,211.41 676.86,194.79 860.78,194.79 1009.76,343.78 1009.76,922.87 1033.13,946.24 1033.13,971.93 1031.5,973.57 U6.24@1031.5,984.25
DP3_DN: DOWN3.2 U5.4 U6.68 | length 1566.3
  Top Layer w9: U6.68@1330.71,1377.95 1330.15,1378.51 1330.15,1390.33 1329.84,1390.64 1329.84,1424.49 1340.53,1435.18 1400.78,1435.18 1418.96,1417 1465.43,1417 1477.31,1428.87 1488.87,1428.87 v1(1490,1430) ; U5.4@1746.85,327.95 1746.85,377.67 1778.65,409.47 1778.65,523.81 1783.93,529.08 1785.37,529.08 1811.02,554.73 DOWN3.2@1811.02,618.9
  Bottom Layer w9: v1(1490,1430) 1520.12,1460.12 1539.17,1460.12 1543.27,1456.02 1598.69,1400.59 1598.69,830.74 1778.65,650.78 1778.65,637.53 1783.93,632.26 1787.32,632.26 1800.67,618.9 DOWN3.2@1811.02,618.9
DP3_DP: DOWN3.3 U5.7 U6.69 | length 1686.4
  Top Layer w9: U6.69@1314.96,1377.95 1315.53,1378.51 1315.53,1390.33 1315.84,1390.64 1315.84,1430.28 1334.73,1449.18 1406.58,1449.18 1424.76,1431 1459.64,1431 1464.91,1436.27 1464.91,1449.91 v1(1465,1450) ; U5.7@1731.1,249.21 1731.1,381.72 1764.65,415.27 1764.65,523.81 1759.38,529.08 1757.93,529.08 1732.28,554.73 DOWN3.3@1732.28,618.9
  Bottom Layer w9: v1(1465,1450) 1466.34,1448.66 1466.34,1427.5 1482.34,1411.5 1497.66,1411.5 1532.28,1446.12 1533.37,1446.12 1584.69,1394.8 1584.69,824.94 1764.65,644.98 1764.65,637.53 1759.38,632.26 1755.99,632.26 1742.63,618.9 DOWN3.3@1732.28,618.9
DP3_RXN: DOWN3.5 U5.6 U6.35 | length 1632
  Top Layer w9: U6.35@1204.72,984.25 1204.72,973.57 1202.98,971.82 1202.98,928.21 1226.8,904.39 1226.8,242.77 1267.89,201.68 1685.3,201.68 1702.7,219.08 1702.7,249.21 1702.7,311.43 1701.92,312.21 1701.92,350.45 1646.54,405.82 1646.54,529.83 DOWN3.5@1614.17,562.2
DP3_RXP: DOWN3.6 U5.5 U6.34 | length 1677.7
  Top Layer w9: U6.34@1188.98,984.25 1188.98,922.41 1212.8,898.59 1212.8,236.97 1262.09,187.68 1691.1,187.68 1716.7,213.28 1716.7,327.95 1716.7,355.47 1711.82,360.35 1660.54,411.62 1660.54,529.83 DOWN3.6@1692.91,562.2
DP3_TXN: C42.1 U5.10 U6.32 | length 1820.3
  Top Layer w9: U6.32@1157.48,984.25 1156.92,983.69 1156.92,971.88 1156.61,971.57 1156.61,143.88 1187.83,112.65 1748.91,112.65 1827.9,191.64 1827.9,343.7 1845.11,360.91 1877.49,360.91 1882.77,366.18 1882.77,373.63 1877.49,378.91 1860.9,378.91 C42.1@1850.4,389.41
DP3_TXP: C43.1 U5.1 U6.31 | length 1865.1
  Top Layer w9: U6.31@1141.73,984.25 1142.3,983.69 1142.3,971.88 1142.61,971.57 1142.61,138.08 1182.04,98.65 1754.71,98.65 1841.9,185.84 1841.9,319.38 1847.78,325.25 1847.78,341.03 1853.66,346.91 1883.29,346.91 1896.77,360.38 1896.77,373.63 1902.04,378.91 1918.64,378.91 C43.1@1929.14,389.41
DP4_DN: DOWN4.2 U6.71 U7.4 | length 1152.1
  Top Layer w9: U6.71@1283.47,1377.95 1282.9,1378.51 1282.9,1390.33 1282.59,1390.64 1282.59,1448.62 1382.4,1548.43 1435.77,1548.43 1448.41,1535.79 v1(1450.84,1535.79) ; U7.4@1746.85,1509.05 1746.85,1515.8 1742.79,1519.86 1742.79,1579.28 1778.65,1615.15 1778.65,1704.91 1783.93,1710.18 1785.37,1710.18 1811.02,1735.84 DOWN4.2@1811.02,1800
  Bottom Layer w9: v1@1458.6,1532.78 1459.84,1534.01 1459.84,1542.14 1498.26,1580.57 1720.97,1580.57 1778.65,1638.25 1778.65,1704.91 1783.93,1710.18 1785.37,1710.18 1811.02,1735.84 DOWN4.2@1811.02,1800
DP4_DP: DOWN4.3 U6.72 U7.7 | length 1221.5
  Top Layer w9: U6.72@1267.72,1377.95 1268.28,1378.51 1268.28,1390.33 1268.59,1390.64 1268.59,1454.42 1376.6,1562.43 1446.34,1562.43 v1(1448.02,1564.11) ; U7.7@1731.1,1430.32 1731.1,1490.13 1728.79,1492.45 1728.79,1585.08 1764.65,1620.95 1764.65,1704.91 1759.38,1710.18 1757.93,1710.18 1732.28,1735.84 DOWN4.3@1732.28,1800
  Bottom Layer w9: v1(1448.02,1564.11) 1448.1,1564.03 1461.92,1564.03 1492.46,1594.57 1715.17,1594.57 1764.65,1644.05 1764.65,1704.91 1759.38,1710.18 1757.93,1710.18 1732.28,1735.84 DOWN4.3@1732.28,1800
DP4_RXN: DOWN4.5 U6.42 U7.6 | length 1460
  Top Layer w9: U6.42@1314.96,984.25 1314.4,983.69 1314.4,971.88 1314.09,971.57 1314.09,935.13 1320.08,929.14 1320.08,866.02 1375.16,810.95 1618.27,810.95 1719.55,912.23 1719.55,1336.28 1704.83,1351 1700.73,1355.1 1700.73,1556.75 1646.54,1610.94 1646.54,1710.94 DOWN4.5@1614.17,1743.31
DP4_RXP: DOWN4.6 U6.41 U7.5 | length 1506.4
  Top Layer w9: U6.41@1299.21,984.25 1299.78,983.69 1299.78,971.88 1300.09,971.57 1300.09,929.33 1306.08,923.34 1306.08,860.22 1369.36,796.95 1624.07,796.95 1733.55,906.43 1733.55,1342.08 1714.73,1360.9 1714.73,1562.55 1660.54,1616.74 1660.54,1710.94 DOWN4.6@1692.91,1743.31
DP4_TXN: C44.1 U6.39 U7.10 | length 1544.1
  Top Layer w9: U6.39@1267.72,984.25 1267.16,983.69 1267.16,971.88 1266.84,971.57 1266.84,908.91 1271.89,903.87 1271.89,814.53 1324.41,762.01 1680.71,762.01 1800.43,881.73 1800.43,1141.42 1826.95,1167.94 1826.95,1421.09 1826.15,1421.88 1826.15,1429.75 U7.10@1825.59,1430.32 1825.59,1529.85 1840.1,1544.37 1875.95,1544.37 1882.77,1551.18 1882.77,1558.63 1877.49,1563.91 1860.9,1563.91 C44.1@1850.4,1574.41
DP4_TXP: C45.1 U6.38 U7.1 | length 1590
  Top Layer w9: U6.38@1251.97,984.25 1252.53,983.69 1252.53,971.88 1252.84,971.57 1252.84,903.11 1257.89,898.07 1257.89,808.73 1318.61,748.01 1686.51,748.01 1814.43,875.93 1814.43,1135.62 1840.95,1162.14 1840.95,1508.66 U7.1@1841.34,1509.05 1840.78,1509.62 1840.78,1517.49 1840.63,1517.64 1840.63,1525.09 1845.9,1530.37 1881.75,1530.37 1896.77,1545.38 1896.77,1558.63 1902.04,1563.91 1918.64,1563.91 C45.1@1929.14,1574.41